# KiCad board impeller18.kicad_pcb (continued)
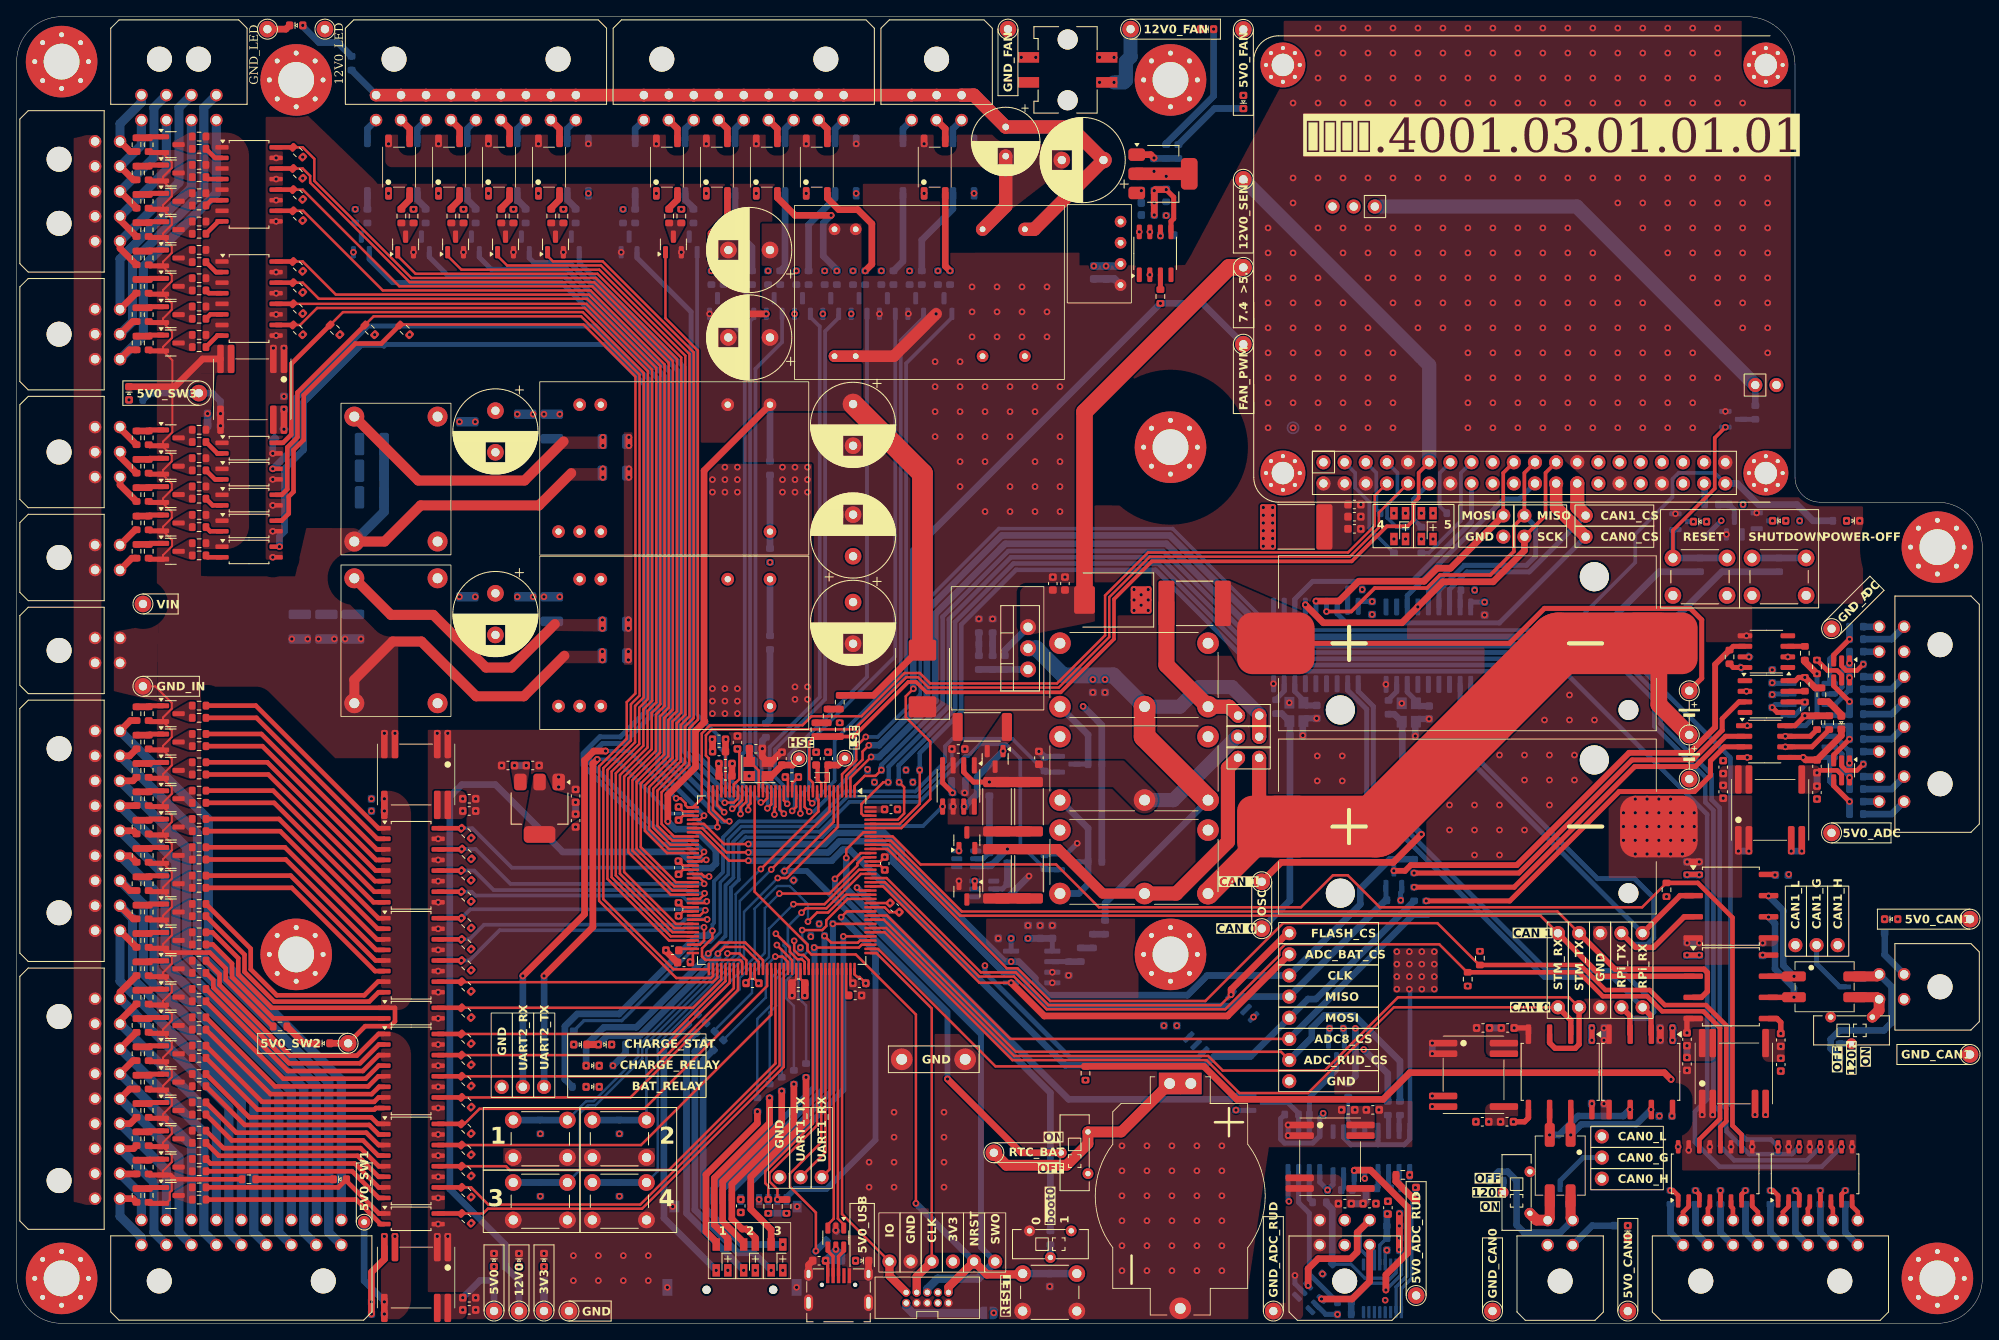
[diagram p0: board, top side]
## Routing (per net, layer and track width the routed paths; a pad name or vN(x,y) marks a point on that pad's centre or on a via; arc(x,y) is an arc through that point) (continued)
  Bottom w0.8: v1(63.33,41.72) J5.1
USB_D+: length 31.4
  Top w0.3: U1.104 98.63,12.56 99.33,11.86 99.33,11.44
USB_D-: length 31.4
  Top w0.3: U1.103 98.13,12.56 97.43,11.86 U72.3
USB_VBUS: length 38.5
  Top w0.3: v1(95.99,8.69) 95.99,13.29 92.87,16.41 92.87,17.97 96.63,21.73 U1.100
  Bottom w0.8: R334.1 96,8.69 v1(95.99,8.69)
Net-(BT1-+): length 26.6
  Top w1.3: BT1.1 132.65,22.98 SW3.3 128.66,21.56 126.08,18.98 118.86,18.98 TP3.1
Net-(BT2-+): length 62.6
  Top w0.6: TP14.1 202.37,77.45 202.37,84.48 201,85.85 183.48,85.85 179.28,81.65 BT2.1
Net-(BT2--): length 88.2
  Top w1.7: BT3.1 149.22,61.66 149.22,67.9
  Top w2: BT2.2 197.22,74.3 TP15.1
  Top w2.6: K3.14 151.12,59.65 BT3.1
  Top w7.4: BT3.1 163.22,59.65 185.22,81.65 BT2.2
Net-(C34-Pad1):
  vias: v1(53.18,87.24) v1(55.08,87.24) v1(60.13,87.24) v1(62.03,87.24) v1(63.33,87.24) v1(65.23,87.24)
Net-(C45-Pad1):
  vias: v1(53.18,108.25) v1(55.08,108.25) v1(60.13,109.17) v1(62.03,109.17) v1(63.33,109.17) v1(65.23,109.17)
Net-(C72-Pad2): length 28.3
  Bottom w0.8: TP18.1 152.92,50.77 C72.2 152.92,72.24 Y3.3 151.95,73.21 R40.1
Net-(C85-Pad2): length 38
  Top w0.8: TP21.1 151.86,55.35 165.33,55.35 v1(168.7,58.72)
  Bottom w0.8: v1(168.7,58.72) 166.42,61 C85.2 166.42,72.17 Y4.3 165.45,73.14 R44.1
Net-(D1-A):
  vias: v1(57.33,6.81)
Net-(D2-A):
  vias: v1(63.33,6.81)
Net-(D3-A):
  vias: v1(60.33,6.81)
Net-(D4-K): length 67.8
  Bottom w0.4: R27.2 68.13,36.35 72.68,36.35 82.08,45.75 83.3,45.75 84.5,46.96 84.5,52.94 85.45,53.89 85.45,58.09 87.01,59.65 96.19,59.65 99.78,63.24 108.17,63.24 112.32,67.39 v1(112.32,68.96)
  Bottom w0.8: R22.2 113.95,63.8 v1(113.86,63.7)
Net-(D5-A):
  vias: v1(66.91,33.48)
Net-(D6-K):
  vias: v1(71.48,33.48)
Net-(D7-A): length 53.4
  Top w2: D7.2 128.25,109.44 145.6,126.79 TP17.1
  Bottom w0.8: 118.67,80.17 118.67,80.8 U8.3
Net-(D9-K):
  vias: v1(193.49,11.73)
Net-(D11-K):
  vias: v1(224.34,48.53)
Net-(D12-BK):
  vias: v1(165.4,94.18)
Net-(D12-GK):
  vias: v1(165.4,97.28)
Net-(D12-RK):
  vias: v1(166.8,97.28)
Net-(D13-BK):
  vias: v1(168.7,94.18)
Net-(D13-GK):
  vias: v1(168.7,97.28)
Net-(D13-RK):
  vias: v1(170.1,97.28)
Net-(D14-K): length 9.3
  Top w0.8: D14.1 R143.2
Net-(D15-K): length 4.4
  Top w0.8: R144.2 34.48,33.63 D15.1
Net-(D16-A):
  vias: v1(13.5,110.89)
Net-(D17-A): length 7.5
  Bottom w0.8: R253.2 38.55,153.8 36.3,153.8 34.36,155.74 v1(34.36,155.85)
Net-(D18-A): length 3.2
  Top w0.8: R254.1 217.59,74.65 219.14,73.1 D18.2
Net-(D19-K): length 4.1
  Top w0.85: D19.1 167.96,14.75 165.65,17.06 R283.2
Net-(D20-BK): length 33.4
  Bottom w0.8: v1(84.01,6.36) 77.74,12.64 77.74,33.08 R325.1
Net-(D20-GK): length 19
  Top w0.8: D20.4 84.01,9.81 82.79,11.03 82.79,17.85 88.96,24.03 v1(88.96,25.42)
Net-(D20-RK): length 21
  Top w0.8: D20.1 85.41,10.2 83.79,11.83 83.79,17.44 90.42,24.07 v1(90.42,27.07)
Net-(D21-BK): length 32.9
  Bottom w0.8: R326.1 81.45,32.66 81.45,13.64 86.63,8.46 88.51,8.46 v1(90.61,6.36)
Net-(D21-GK): length 23.8
  Top w0.8: v1(94.8,29.55) 94.8,24.21 88.17,17.57 88.17,13.71 90.61,11.26 D21.4
Net-(D21-RK): length 30.8
  Bottom w0.8: v1(92.01,9.46) 87.06,9.46 82.45,14.07 82.45,31.59 R316.1
Net-(D22-BK): length 31.9
  Bottom w0.8: R331.1 80.45,33.72 80.45,13.23 v1(87.31,6.36)
Net-(D22-GK): length 22.4
  Top w0.8: D22.4 87.31,9.72 84.79,12.24 84.79,17.02 91.88,24.12 v1(91.88,27.9)
Net-(D22-RK): length 23.8
  Top w0.8: v1(93.34,28.72) 93.34,24.17 85.89,16.71 85.89,12.55 87.12,11.32 87.67,11.32 88.71,10.28 D22.1
Net-(D24-K): length 16.2
  Bottom w0.8: R338.2 138.06,141.68 143.75,147.37 v1(143.75,155.4)
Net-(D25-K): length 9.6
  Bottom w0.8: v1(147.32,145.87) 143.85,145.87 R339.2
Net-(D26-K):
  vias: v1(69.96,30.94)
Net-(D27-A):
  vias: v1(68.39,28.4)
Net-(D28-A):
  vias: v1(100.75,7.52)
Net-(D29-A):
  vias: v1(202.95,96.26)
Net-(D29-K):
  vias: v1(201.37,96.26)
Net-(D30-A):
  vias: v1(219.77,96.36)
Net-(D31-A):
  vias: v1(212.49,96.36)
Net-(D31-K):
  vias: v1(210.87,96.36)
Net-(J2-Pin_1): length 10
  Bottom w1: J2.1 106.83,2.01 107.6,1.24 116.04,1.24 JP1.2
Net-(J8-Pin_2): length 22.6
  Top w1.7: 146.68,72.98 145.61,74.05 K2.14
  Top w1.925: F1.1 138.08,79.04 K2.14
  Bottom w1.7: J8.2 145.62,74.05 K2.14
Net-(J9-Pin_1): length 47.8
  Top w1.225: K3.11 130.44,51.61 125.11,56.95 R25.2 R26.1
  Top w1.7: J9.1 145.47,66.69 145.47,57.82 139.26,51.61 K3.11
  Bottom w0.6: U5.3 116.67,54.83 C52.2
  Bottom w0.8: v1(118.99,56.95) 117.02,54.98 C52.2
Net-(J29-Pin_9): length 1.9
  Bottom w0.8: J29.9 R266.1
Net-(J29-Pin_10): length 1.9
  Bottom w0.8: J29.10 R267.1
Net-(J29-Pin_11): length 1.9
  Bottom w0.8: R265.1 J29.11
Net-(J29-Pin_12): length 1.9
  Bottom w0.8: R268.1 J29.12
Net-(J29-Pin_13): length 1.9
  Bottom w0.8: J29.13 R264.1
Net-(J29-Pin_14): length 1.9
  Bottom w0.8: J29.14 R269.1
Net-(J29-Pin_15): length 1.9
  Bottom w0.8: J29.15 R263.1
Net-(J29-Pin_16): length 1.9
  Bottom w0.8: R270.1 J29.16
Net-(J33-VBUS): length 9
  Top w0.4: J33.1 97.4,7.27 v1(97.15,7.52)
  Bottom w0.7: R342.2 98.81,7.52 97.91,8.42 ; v1(97.15,7.52) 97.15,7.67 97.91,8.42 ; 97.91,8.42 v1(98.38,8.9)
  Bottom w0.8: v1(98.38,8.9) 99.1,8.18 R342.2 v1(97.15,7.52)
Net-(Q3-G): length 8.6
  Bottom w0.8: v1(118.46,68.71) 115.35,65.6 115.35,63.54 R21.1
  vias: v1(113.78,62.05)
Net-(Q4-D): length 3.8
  Top w1.225: R19.2 R18.1
Net-(Q4-G):
  vias: v1(113.17,56.73)
Net-(Q5-D): length 3.8
  Top w1.225: R25.1 R26.2
Net-(Q5-G):
  vias: v1(115.07,53.11)
Net-(Q6-G): length 3.2
  Top w0.6: Q6.1 15.98,43.53 R55.2
  Top w0.8: R53.1 R55.2
Net-(Q7-G): length 3.2
  Top w0.6: Q7.1 15.98,74.15 15.86,74.03
  Top w0.8: 15.86,74.03 14.4,74.03
Net-(Q8-G): length 3.2
  Top w0.6: Q8.1 15.98,40.12 R63.2
  Top w0.8: R61.1 R63.2
Net-(Q9-G): length 3.2
  Top w0.6: Q9.1 15.98,70.75 R65.2
  Top w0.8: R65.2 R62.1
Net-(Q10-G): length 3.2
  Top w0.6: Q10.1 15.98,36.72 R73.2
  Top w0.8: R71.1 R73.2
Net-(Q11-G): length 3.2
  Top w0.6: R75.2 15.98,67.35 Q11.1
  Top w0.8: R75.2 R72.1
Net-(Q12-G): length 3.2
  Top w0.6: R83.2 15.98,33.32 Q12.1
  Top w0.8: R81.1 R83.2
Net-(Q13-G): length 3.2
  Top w0.6: R85.2 15.98,63.95 17.57,63.95
  Top w0.8: R82.1 R85.2
Net-(Q14-G): length 3.2
  Top w0.6: R93.2 15.98,29.92 Q14.1
  Top w0.8: R91.1 R93.2
Net-(Q15-G): length 3.2
  Top w0.6: R95.2 15.98,60.54 Q15.1
  Top w0.8: R92.1 R95.2
Net-(Q16-G): length 3.2
  Top w0.6: 17.57,26.52 15.98,26.52 R103.2
  Top w0.8: R101.1 R103.2
Net-(Q17-G): length 3.2
  Top w0.6: Q17.1 15.98,57.14 15.86,57.02
  Top w0.8: 15.86,57.02 14.4,57.02
Net-(Q18-G): length 3.2
  Top w0.6: Q18.1 15.98,23.12 R113.2
  Top w0.8: R111.1 R113.2
Net-(Q19-G): length 3.2
  Top w0.6: R115.2 15.98,53.74 Q19.1
  Top w0.8: R115.2 R112.1
Net-(Q20-G): length 3.2
  Top w0.6: R123.2 15.98,19.71 Q20.1
  Top w0.8: R121.1 R123.2
Net-(Q21-G): length 3.2
  Top w0.6: R125.2 15.98,50.34 Q21.1
  Top w0.8: R122.1 R125.2
Net-(Q22-G): length 3.2
  Top w0.6: 15.86,16.19 15.98,16.31 Q22.1
  Top w0.8: 14.4,16.19 15.86,16.19
Net-(Q23-G): length 3.2
  Top w0.6: R135.2 15.98,46.94 Q23.1
  Top w0.8: R135.2 R132.1
Net-(Q24-G): length 3.2
  Top w0.6: R146.2 15.98,142.48 Q24.1
  Top w0.8: R145.1 R146.2
Net-(Q25-G): length 3.2
  Top w0.6: Q25.1 15.98,139.08 15.86,138.96
  Top w0.8: 15.86,138.96 14.4,138.96
Net-(Q26-G): length 3.2
  Top w0.6: R155.2 15.98,135.68 Q26.1
  Top w0.8: R154.1 R155.2
Net-(Q27-G): length 3.2
  Top w0.6: R160.2 15.98,132.28 17.57,132.28
  Top w0.8: R159.1 R160.2
Net-(Q28-G): length 3.2
  Top w0.6: R165.2 15.98,128.88 Q28.1
  Top w0.8: R165.2 R164.1
Net-(Q29-G): length 3.2
  Top w0.6: Q29.1 15.98,125.47 R171.2
  Top w0.8: R171.2 R170.1
Net-(Q30-G): length 3.2
  Top w0.6: R176.2 15.98,122.07 Q30.1
  Top w0.8: R176.2 R175.1
Net-(Q31-G): length 3.2
  Top w0.6: Q31.1 15.98,118.67 R181.2
  Top w0.8: R181.2 R180.1
Net-(Q32-G): length 3.2
  Top w0.6: Q32.1 15.98,97.06 15.86,96.93
  Top w0.8: 14.4,96.93 15.86,96.93
Net-(Q33-G): length 3.2
  Top w0.6: R191.2 15.98,93.65 Q33.1
  Top w0.8: R190.1 R191.2
Net-(Q34-G): length 3.2
  Top w0.6: R197.2 15.98,100.47 Q34.1
  Top w0.8: R196.1 R197.2
Net-(Q35-G): length 3.2
  Top w0.6: R201.2 15.98,103.87 Q35.1
  Top w0.8: R200.1 R201.2
Net-(Q36-G): length 3.2
  Top w0.6: R206.2 15.98,107.27 Q36.1
  Top w0.8: R205.1 R206.2
Net-(Q58-D): length 57.8
  Top w0.6: U61.6 206.15,81.29 R280.2
  Top w0.7: v1(165.39,54.34) 166.74,54.34 167.43,55.02 180.17,55.02 193.65,68.5 200.91,68.5 203.98,71.57 203.98,79.12 R280.2
Net-(Q59-D): length 9.9
  Bottom w0.6: Q59.3 158.5,30.36 155.25,27.11 155.25,25.22 ; U68.7 155.23,25.05 R293.2
Net-(Q60-D): length 6.4
  Bottom w0.6: R296.2 153.96,25.05 U68.6 ; 153.94,25.22 152.65,26.52 Q60.3
Net-(Q61-D): length 1.7
  Bottom w0.6: R347.2 Q61.3
Net-(Q61-G): length 28.4
  Top w0.44: v1(205.22,107.61) 203.93,106.32 203.93,100.24 198.91,95.22 SW11.1
  Bottom w0.6: SW11.1 198.91,95.01 Q62.1
  Bottom w0.8: SW11.1 R343.2 SW11.1
Net-(Q64-D): length 3.3
  Bottom w0.6: Q64.3 206.29,97.72 R354.1
  Bottom w0.8: R354.1 R353.2
Net-(Q64-G): length 6.5
  Bottom w0.8: SW13.1 R349.2 SW13.1
Net-(R30-Pad1): length 1.5
  Top w0.8: R32.2 R30.1
Net-(R31-Pad2): length 2.8
  Bottom w0.8: R346.1 R352.2 115.56,80.17
Net-(R32-Pad1): length 1.5
  Top w0.8: R34.2 R32.1
Net-(R33-Pad1): length 1.5
  Bottom w0.8: R33.1 R35.2
Net-(R35-Pad1): length 1.5
  Bottom w0.8: R35.1 R36.2
Net-(R59-Pad2): length 27.3
  Top w0.55: R59.2 23.61,41.21 23.61,40.33 32.71,31.23 41.24,31.23 43.49,33.48 U18.2
Net-(R60-Pad2): length 27.4
  Top w0.55: U19.2 44.12,58.18 43.34,58.18 28.8,72.71 R60.2
Net-(R69-Pad2): length 25.9
  Top w0.55: U18.4 43.47,30.94 41.91,29.37 32.04,29.37 R69.2
Net-(R70-Pad2): length 27
  Top w0.55: R70.2 29.52,69.31 43.18,55.64 U19.4
Net-(R79-Pad2): length 25
  Top w0.55: R79.2 30.49,27.52 42.64,27.52 43.51,28.4 U18.6
Net-(R80-Pad2): length 26.7
  Top w0.55: U19.6 43.03,53.1 30.22,65.9 R80.2
Net-(R89-Pad2): length 24
  Top w0.55: R89.2 28.94,25.67 42.96,25.67 43.15,25.86 U18.8
Net-(R90-Pad2): length 26.3
  Top w0.55: R90.2 30.93,62.5 42.87,50.56 U19.8
Net-(R99-Pad2): length 23.8
  Top w0.55: U20.2 43.49,22.68 42.35,23.82 27.39,23.82 R99.2
Net-(R100-Pad2): length 26.2
  Top w0.55: R100.2 31.65,59.1 43.37,47.38 U21.2
Net-(R109-Pad2): length 23.4
  Top w0.55: U20.4 43.43,20.14 41.6,21.97 25.84,21.97 R109.2
Net-(R110-Pad2): length 25.9
  Top w0.55: R110.2 32.33,55.7 43.18,44.84 U21.4
Net-(R119-Pad2): length 23.1
  Top w0.55: R119.2 24.29,20.12 40.96,20.12 43.48,17.6 U20.6
Net-(R120-Pad2): length 25.5
  Top w0.55: U21.6 43.04,42.3 33.05,52.29 R120.2
Net-(R129-Pad2): length 22.7
  Top w0.55: U20.8 43.49,15.06 40.28,18.27 R129.2
Net-(R130-Pad2): length 27.3
  Top w0.55: R130.2 27.36,44.27 27.36,42.2 30.93,38.64 42.34,38.64 43.46,39.76 U21.8
Net-(R139-Pad2): length 22.6
  Top w0.55: R139.2 40.78,14.86 43.72,11.92 U22.2
Net-(R140-Pad2): length 26
  Top w0.55: U23.2 30.82,36.62 25.86,41.58 25.86,43.19 23.57,45.49 R140.2
Net-(R148-Pad2): length 2.4
  Top w0.55: U26.2 23.83,139.94 R148.2
Net-(R153-Pad2): length 2
  Top w0.55: R153.2 22.97,137.4 U26.4
Net-(R158-Pad2): length 2.2
  Top w0.55: U26.6 23.36,134.86 R158.2
Net-(R163-Pad2): length 2.5
  Top w0.55: R163.2 24.22,132.32 U26.8
Net-(R169-Pad2): length 2.4
  Top w0.55: R169.2 23.94,126.23 U27.2
Net-(R174-Pad2): length 2.1
  Top w0.55: R174.2 23.07,123.69 U27.4
Net-(R179-Pad2): length 2.1
  Top w0.55: R179.2 23.26,121.15 U27.6
Net-(R184-Pad2): length 2.5
  Top w0.55: R184.2 24.12,118.61 24.66,118.61
Net-(R189-Pad2): length 2.1
  Top w0.55: R189.2 23.24,95.11 U29.2
Net-(R194-Pad2): length 2
  Top w0.55: U30.2 22.96,91.99 R194.2
Net-(R199-Pad2): length 2.3
  Top w0.55: R199.2 23.54,98.22 U31.2
Net-(R204-Pad2): length 2.4
  Top w0.55: R204.2 23.82,101.34 U32.2
Net-(R209-Pad2): length 2.5
  Top w0.55: U33.2 24.11,104.46 R209.2
Net-(R212-Pad2): length 1.9
  Bottom w0.8: U34.2 R212.2
Net-(R215-Pad2): length 1.9
  Bottom w0.8: U35.2 R215.2
Net-(R217-Pad2): length 9.8
  Bottom w0.8: R217.2 106.44,127.52 U36.2
Net-(R218-Pad2): length 2.3
  Top w0.8: U37.2 47.2,134.93 46.2,133.93 R218.2
Net-(R221-Pad2): length 2.3
  Top w0.8: R221.2 78.36,133.93 79.36,134.93 U38.2
Net-(R223-Pad2): length 9.5
  Top w0.8: U39.2 111.52,126.96 v1(112.1,126.38)
Net-(R224-Pad2): length 2.3
  Bottom w0.8: R224.2 49.12,133.93 48.12,134.93 U40.2
Net-(R227-Pad2): length 2.3
  Bottom w0.8: U41.2 80.28,134.93 81.28,133.93 R227.2
Net-(R229-Pad2): length 10.9
  Bottom w0.8: U42.2 112.44,133.81 108.7,130.07 R229.2
Net-(R230-Pad2): length 2.3
  Top w0.8: R230.2 52.2,133.93 53.2,134.93 U43.2
Net-(R232-Pad2): length 10.7
  Top w0.8: U44.2 85.36,132.86 83.39,130.89 83.39,127.89 v1(84.9,126.38)
Net-(R234-Pad2): length 2.3
  Bottom w0.8: R234.2 55.12,133.93 54.12,134.93 U45.2
Net-(R236-Pad2): length 10.1
  Bottom w0.8: U46.2 86.28,131.25 88.3,129.23 R236.2
Net-(R238-Pad2): length 2.3
  Top w0.8: R238.2 58.2,133.93 59.2,134.93 U47.2
Net-(R240-Pad2): length 15.6
  Top w0.8: v1(97.82,133.05) 93.47,133.05 91.36,135.16 U48.2
  Bottom w0.8: v1(97.82,133.05) 96.87,132.1 96.87,128.16 98.5,126.53 v1(98.5,126.38)
Net-(R242-Pad2): length 2.4
  Bottom w0.8: R242.2 61.12,133.93 60.27,134.78 60.12,134.78 U49.2
Net-(R244-Pad2): length 9.5
  Bottom w0.8: R244.2 92.28,126.96 U50.2
Net-(R246-Pad2): length 2.3
  Top w0.8: U51.2 65.2,134.93 64.2,133.93 R246.2
Net-(R248-Pad2): length 13.2
  Top w0.8: v1(101.9,126.38) 102.71,127.18 102.71,132.03 101.01,133.73 98.73,133.73 97.36,135.1 U52.2
Net-(R250-Pad2): length 2.3
  Bottom w0.8: U53.2 66.12,134.93 67.12,133.93 R250.2
Net-(R252-Pad2): length 10.6
  Bottom w0.8: R252.2 95.1,131.91 98.28,135.09 U54.2
Net-(R299-Pad2): length 1.4
  Top w0.55: v1(219.62,15.95) 219.16,15.49 U69.7
Net-(R301-Pad2): length 1.3
  Top w0.55: U69.5 v1(216.62,15.95)
Net-(R303-Pad2): length 1.4
  Top w0.55: U69.3 214.08,15.49 v1(213.62,15.95)
Net-(R305-Pad2): length 1.8
  Top w0.55: U69.1 211.54,15.36 210.94,15.95 v1(210.62,15.95)
Net-(R307-Pad2): length 1.4
  Top w0.55: U70.7 207.16,15.49 v1(207.62,15.95)
Net-(R309-Pad2): length 1.3
  Top w0.55: U70.5 v1(204.62,15.95)
Net-(R311-Pad2): length 1.4
  Top w0.55: U70.3 202.08,15.49 v1(201.62,15.95)
Net-(R313-Pad2): length 1.8
  Top w0.55: U70.1 199.54,15.35 198.94,15.95 v1(198.62,15.95)
Net-(R348-Pad2): length 2.8
  Bottom w0.8: 117.21,80.17 R352.1 R351.1
Net-(SW2-B): length 1.6
  Bottom w0.8: R1.2 SW2.2
Net-(SW8-B): length 1.4
  Bottom w0.8: R39.2 SW8.2
Net-(SW9-B): length 1.4
  Bottom w0.8: R43.2 SW9.2
Net-(U3-REG): length 9.1
  Bottom w0.8: R6.2 U3.11 90.48,72.52 R7.1
Net-(U4-REG): length 8.8
  Bottom w0.8: 90.48,93.04 U4.11 R11.2
Net-(U5-VDD): length 8.8
  Bottom w0.6: U5.2 116.07,55.78 C52.1
  Bottom w0.8: C52.1 R17.1
Net-(U6-TS): length 5.2
  Top w0.6: v1(112.4,63.7) 111.2,64.9 U6.4
  Bottom w0.8: v1(112.4,63.7) 112.3,63.8 R22.1
Net-(U7-VDD): length 4.4
  Bottom w0.6: U7.2 118.39,52.16 C55.1
  Bottom w0.8: R23.1 C55.1
Net-(U8-ADJ): length 5.9
  Bottom w0.8: U8.1 R29.2 R348.1 R31.1
Net-(U9-IN+): length 3.4
  Bottom w0.6: U9.2 R38.1
  Bottom w0.8: R36.1 R38.1
Net-(U12-OSC1): length 2.3
  Bottom w0.6: U12.8 152.23,75.92 151.26,74.95 R40.2
Net-(U12-OSC2): length 4.4
  Bottom w0.6: Y3.1 154.54,74.83 153.5,75.87 U12.7
  Bottom w0.75: Y3.1 154.87,74.19 C71.2
Net-(U12-~{RESET}): length 2.1
  Bottom w0.6: U12.17 159.85,88.01 R41.2
Net-(U16-OSC1): length 2.3
  Bottom w0.6: R44.2 164.76,74.89 165.73,75.86 U16.8
Net-(U16-OSC2): length 4.4
  Bottom w0.6: U16.7 167,75.8 168.04,74.76 Y4.1
  Bottom w0.75: C84.2 168.37,74.12 Y4.1
Net-(U16-~{RESET}): length 2.1
  Bottom w0.6: U16.17 173.35,87.94 R45.2
Net-(U57-C): length 49.1
  Top w0.6: U57.3 206.85,74.62 204.83,72.6 204.83,71.21 201.27,67.65 194,67.65 180.42,54.07 v1(167.83,54.07)
Net-(U57-EN): length 1.8
  Top w0.6: 212.89,75.89 214.74,75.89
Net-(U59-C1): length 47.1
  Top w0.6: 207.46,70.49 205.24,70.49 201.6,66.85 194.33,66.85 179.85,52.37 v1(167.83,52.37)
Net-(U59-C2): length 46.9
  Top w0.6: 207.46,69.22 205.1,69.22 203.42,67.54 203.42,65.78 201.49,63.85 192.46,63.85 179.33,50.72 v1(169.29,50.72)
Net-(U61-C): length 2
  Top w0.6: R282.1 U61.3
Net-(U61-EN):
  vias: v1(208.04,80.02)
Net-(U64-C): length 4.3
  Bottom w0.45: 159.91,24.32 160.63,23.6 U64.3 ; R290.2 159.91,24.47
Net-(U64-EN): length 2
  Bottom w0.6: U64.7 159.36,16.29 R289.1
Net-(U65-AVDD): length 6.4
  Bottom w0.4: C120.2 163.71,9.39 U65.12
  Bottom w0.8: C121.2 C119.2 C120.2
  vias: v1(164.61,13.16)
Net-(U66-C1): length 1.9
  Bottom w0.6: U66.2 164.76,24.9 R291.1
Net-(U66-C2): length 1.9
  Bottom w0.6: R292.2 166.03,24.9 U66.3
Net-(U68-C1): length 3.8
  Bottom w0.6: R295.1 155.23,14.93 U68.2
Net-(U68-C2): length 17.6
  Bottom w0.6: R298.2 155.24,5.92 155.24,13.23 153.96,14.51 U68.3
Net-(U73-C): length 1.8
  Top w0.6: R337.2 137.36,125.9 U73.3
Net-(U73-EN): length 2.8
  In1.Cu w0.8: v1(136.09,131.06) v1(138.06,133.02)

## Copper pours and planes (outline as drawn; the poured copper is in the pictures)
3V3 on Top: 104.69,61.32 101.8,61.32 101.8,62.12 104.69,62.12
3V3 on Top: 83.16,103.21 95.52,103.21 95.52,72.82 83.16,72.82
3V3 on Top: 61.12,57.88 64.52,57.82 66.62,60.16 67.52,60.75 67.6,60.91 67.6,62.78 67.47,62.99 64.57,63.82 64.21,64.12 63.49,65.82 62.07,65.75 60.9,59.27
3V3 on Top, Bottom, In1.Cu, In2.Cu: 165.35,45.03 170.65,45.03 170.65,39.73 165.35,39.73
3V3 on Top, Bottom, In1.Cu, In2.Cu: 91.57,103.21 95.37,103.21 95.37,99.41 91.57,99.41
3V3 on Top, Bottom, In1.Cu, In2.Cu: 83.16,76.62 86.96,76.62 86.96,72.82 83.16,72.82
3V3 on Top, Bottom, In1.Cu, In2.Cu: 83.16,101.31 85.06,103.21 86.96,103.21 86.96,99.41 83.16,99.41
3V3 on Top, Bottom, In1.Cu, In2.Cu: 93.08,76.83 95.38,76.83 95.38,74.53 93.08,74.53
3V3 on Bottom: 91.57,103.21 95.37,103.21 95.52,74.53 91.57,74.53
3V3 on Bottom: 181.18,45.03 165.35,45.03 165.35,33.1 166.87,31.58 167.16,29.7 175.01,29.7 175.86,28.85 203.17,28.85 203.17,54.31 197.12,54.31 197.12,37.72 191.35,42.45 183.72,42.25
3V3 on Bottom: 141.21,35.06 139.7,36.17 138.98,36.14 138.93,35.35 140.07,33.94 141.3,32.7 142.43,33.83
3V3 on Bottom: 208.44,88.4 208.44,67.55 202.07,67.55 202.07,88.4
3V3 on Bottom: 83.16,99.41 86.96,99.41 86.96,76.62 83.16,76.62
3V3 on In2.Cu: 0,156.9 236.07,156.9 236.07,0 0,0
5V0 on Top: 54.03,3.55 54.03,0.15 50.11,0.15 50.11,3.55
5V0 on Top: 30.43,110.2 32.5,110.2 32.5,106.8 30.43,106.8
5V0 on Top: 54.03,63.95 54.03,60.55 50.11,60.55 50.11,63.95
5V0 on Top: 200.13,31.47 200.13,35.35 204.09,35.35 204.09,31.47
5V0 on Top: 59.34,66.7 59.34,67.46 61.65,67.46 61.65,66.7 61.23,64.26 59.77,64.26
5V0 on Top: 176.43,35.94 180.31,35.94 180.31,31.98 176.43,31.98
5V0 on Top: 159.69,22.14 159.69,26.11 163.09,26.11 163.09,22.14
5V0 on Top: 208.44,63.61 204.47,63.61 204.47,67.01 208.44,67.01
5V0 on Top, Bottom, In1.Cu, In2.Cu: 133.8,88.51 136.3,88.51 136.3,85.21 133.8,85.21
5V0 on Bottom, In1.Cu, In2.Cu: 151.24,98.36 151.24,92.91 149.32,92.91 149.32,98.36
5V0 on In2.Cu: 49.37,71.26 72.92,71.26 72.92,114.8 48.88,114.75 36.61,111.78 35.54,106.96 29.91,106.96 29.91,118.31 77.52,118.31 77.52,103.2 81.52,99.2 152.08,99.2 161.41,86 208.44,86 208.44,56.31 207.22,56.31 207.22,28.85 175.01,28.85 175.01,29.7 167.61,29.7 167.61,21.29 156.5,21.29 156.5,33.84 167.61,35.87 171.98,35.87 176.13,39.97 176.13,53.79 171.73,57.93 118.36,57.93 104.7,77.04 82.83,77.04 77.52,66.66 57.98,66.66 53.98,62.66 53.98,0.15 49.37,0.15
5V0_ADC on Top: 216.69,63.61 213.99,63.61 213.99,67.01 216.69,67.01
5V0_ADC on In1.Cu: 218.97,57.89 210.44,57.89 210.44,80.42 218.97,80.42
5V0_ADC_RUD on Top: 159.69,13.9 159.69,16.6 162.6,16.6 162.6,13.9
5V0_ADC_RUD on In1.Cu: 169.08,16.69 169.08,0.67 156.43,0.67 156.43,16.69
5V0_CAN0 on Top: 176.35,26.43 180.31,26.43 180.31,23.73 176.35,23.73
5V0_CAN0 on In2.Cu: 176.24,26.85 199.27,26.85 199.27,24.42 195.7,24.42 194.78,23.5 191.22,23.5 191.22,12.21 193.97,12.21 193.97,4.88 194.48,1.63 194.27,0.89 192.82,0.74 192.49,1.47 192.49,8.64 176.24,8.64
5V0_CAN1 on Top: 209.64,31.39 209.64,35.35 212.34,35.35 212.34,31.39
5V0_CAN1 on In2.Cu: 209.22,54.31 213.22,54.31 213.22,46.26 223.86,46.26 223.86,49.01 231.2,49.01 231.2,49.53 235.6,49.53 235.6,47.53 227.43,47.53 227.43,31.28 209.22,31.28
5V0_FAN on Bottom: 139.41,138.18 139.41,130.18 137.58,130.18 137.58,138.18
5V0_SWITCHES_1 on Top: 47.37,35.02 47.37,0.15 43.76,0.15 43.76,35.02
5V0_SWITCHES_2 on Top: 47.37,63.95 47.37,37.61 43.76,37.61 43.76,63.95
5V0_SWITCHES_3 on Top: 27.91,142.98 27.91,92.98 22.34,92.98 22.34,142.98
12V0 on Top: 89.48,132.07 101.47,132.07 101.47,109.54 89.48,109.54
12V0_FAN on Bottom: 131.88,131.59 131.88,134.54 133.86,134.54 133.86,143.55 130.95,143.55 129.27,147.92 129.27,149.76 135.52,149.76 135.52,131.59
12V0_FAN on Bottom: 129.27,153.15 135.52,153.15 135.52,131.59 131.88,131.59 131.88,142.27 129.27,142.27
GND on Top: 99.8,5.12 99.8,6.62 101.24,6.93 101.96,7.93 102.77,7.76 102.83,6.23 102.3,5.12
GND on Top: 200.17,45.27 200.17,46.57 202.52,46.57 202.52,45.27
GND on Top: 190.23,35.9 191.53,35.9 191.53,33.55 190.23,33.55
GND on Top, Bottom: 0,156.9 236.07,156.9 236.07,0 0,0
GND on In1.Cu: 0,156.9 236.07,156.9 236.07,0 0,0
GND on In2.Cu: 202.08,58.04 201.78,55.46 200.04,55.76 194.37,55.75 192.37,58 192.37,61.3 194.25,63.54 198.64,63.55 198.94,63.47 201.77,61.82 202.08,61.3
GND_ADC on Bottom: 227.43,60.75 225.01,60.75 225.01,84.4 227.43,84.4
GND_ADC on In2.Cu: 227.43,60.75 215.22,56.31 210.44,56.31 210.44,84.4 227.43,84.4
GND_ADC_RUD on Top: 148.47,-0.38 152.39,17.87 159.19,17.87 159.19,8 154.5,4.67 154.5,-0.3
GND_ADC_RUD on Bottom: 163.51,0.6 163.51,3.18 165.21,3.18 165.21,0.6
GND_ADC_RUD on In2.Cu: 152.39,2.38 152.39,18.22 167.7,18.22 167.7,2.38
GND_CAN0 on Top: 190.23,26.85 191.53,26.85 191.53,24.5 190.23,24.5
GND_CAN0 on In1.Cu: 169.61,27.7 173.01,27.7 173.01,26.85 198.19,26.85 198.19,24.42 195.7,24.42 194.78,23.5 191.22,23.5 191.22,8.64 178.24,8.64 178.24,0.48 176.24,0.47 176.24,23.73 169.61,23.73
GND_CAN1 on Top: 209.22,45.27 209.22,46.57 211.57,46.57 211.57,45.27
GND_CAN1 on In1.Cu: 212.34,24.65 208.37,24.65 208.37,28.05 209.22,28.05 209.22,54.31 213.22,54.31 213.22,46.26 227.43,46.26 227.43,33.28 235.6,33.28 235.6,31.28 212.34,31.28
GND_FAN on In2.Cu: 138.46,152.41 138.46,129.05 129.65,129.05 129.65,134.37 133.69,138.4 133.69,144.26 129.65,145.38 129.65,152.41
GND_FAN on In2.Cu: 138.46,152.41 138.46,129.05 129.65,129.05 129.65,152.41
GND_IN on Top: 26.15,117.5 26.15,114.1 22.14,114.1 22.14,117.5
GND_IN on Top: 70.74,80.76 70.74,79.26 65.08,79.26 65.6,80.74 65.74,80.76 65.78,80.76
GND_IN on Top: 70.8,102.69 70.8,101.19 65.14,101.19 66.44,102.67 66.61,102.69
GND_IN on Top: 22.14,140.89 22.14,17.01 16.84,17.01 16.84,140.89
GND_IN on Top: 16.9,74.67 11.67,75.91 11.67,83.05 16.99,84
GND_IN on Top: 20.78,17.01 20.78,15.85 18.81,15.85 18.22,14.27 16.84,14.45 16.84,17.01
GND_IN on Top: 45.83,95.48 45.83,67.85 20.69,67.84 20.69,95.53
GND_IN on Top: 23.88,114.1 23.32,109.13 22.95,108.83 22.14,108.83 22.14,114.1
GND_IN on Bottom, In2.Cu: 43.76,10.05 42.16,61.05 32.65,81.6 32.65,82.75 41.75,82.75 45.83,71.04 45.83,10.05
GND_IN on In1.Cu: 11.67,83.49 14.14,83.49 15.17,75.49 11.67,75.91
GND_IN on In1.Cu: 45.83,10.05 43.76,10.05 42.16,61.05 38.29,70.26 45.83,70.31
GND_IN on In1.Cu: 41.76,95.51 41.76,92.68 37.83,87.76 41.76,82.43 45.86,82.43 45.83,70.31 38.29,70.26 29.83,76.62 22.13,76.62 15.17,75.49 11.67,75.91 11.67,83.05 16.99,84 33.44,89.71 34.78,95.51
GND_LED on Top, Bottom, In1.Cu, In2.Cu: 119.58,142.73 119.58,138.83 44.26,138.83 44.26,142.73
GND_LED on Top, Bottom, In1.Cu, In2.Cu: 117.97,133.38 119.47,133.75 126.06,138.85 126.52,139.68 125.78,140.64 119.58,142.73
VIN on Top: 70.74,84.56 70.74,83.06 63.93,83.15 64.38,84.5 64.57,84.56 64.64,84.56
VIN on Top: 70.8,106.49 70.8,104.99 65.14,104.99 65.45,106.44 65.59,106.48 65.68,106.49
VIN on Top, Bottom, In1.Cu, In2.Cu: 10.17,142.67 10.17,14.23 6.85,14.23 6.85,142.67
VIN on Bottom, In2.Cu: 9.61,84.55 9.61,88.21 33.09,88.21 38.15,110.08 41.75,110.08 41.75,84.55
PACK_CHARGE+ on Top: 131.65,64.38 134.33,61.7 136.59,61.7 136.59,63.96 132.97,67.58 117.23,67.58 116.07,65.39 116.07,64.38
Net-(BT2-+) on Top: 143.98,83.79 144.07,89.07 145.68,89.15 154.68,85.24 154.75,78.76 146.91,78.76
Net-(BT2--) on Top: 147.86,57.92 147.86,55.8 146.57,55.8 146.57,57.92
Net-(C34-Pad1) on Bottom, In2.Cu: 49.35,89.47 50.54,90.66 70.92,90.66 70.92,86.66 49.35,86.66
Net-(C34-Pad2) on Bottom: 70.16,76.89 70.16,73.35 61.63,73.35 61.63,76.89
Net-(C34-Pad2) on Bottom: 70.16,73.35 70.92,74.12 70.92,84.86 49.35,84.86 49.35,74.46 50.46,73.35
Net-(C45-Pad1) on Bottom, In2.Cu: 50.55,107.68 55.24,107.68 59.97,108.59 70.92,108.59 70.92,112.8 49.35,112.8 49.35,108.88
Net-(C45-Pad2) on Bottom: 70.92,98.01 70.92,92.68 61.73,92.68 61.73,98.01
Net-(C45-Pad2) on Bottom: 50.55,92.68 49.35,93.88 49.35,105.88 55.24,105.88 59.97,106.79 70.92,106.79 70.92,92.68
Net-(C90-Pad2) on Top: 160.33,101.7 160.33,92.91 156.09,92.91 156.09,101.7
Net-(D4-K) on Top: 115.31,61.08 114.38,61.08 114.38,62.05 113.78,63.23 113,63.7 111.43,65.22 111.64,68.02 107.21,72.86 107.23,74.99 110.37,75.21 113.47,73.27 113.59,70.1 113.22,69.21 113.24,67.1 113.24,66.27 114.11,65.1 115.32,63.9
Net-(D7-A) on Top: 129.5,88.51 129.5,84.27 121.55,82.65 120.51,83.6 120.51,88.51
Net-(J9-Pin_1) on Top: 116.67,57.56 116.67,56.33 114.77,56.33 114.77,57.56
Net-(Q3-S) on Top: 114.71,66.38 114.77,67.94 118.37,73.2 119.48,73.08 119.46,70.02 115.26,66.07
Net-(Q4-D) on Top: 116.67,59.68 116.67,58.46 113.82,58.46 113.82,59.68
Net-(Q5-D) on Top: 116.67,51.63 116.67,50.41 113.82,50.41 113.82,51.63
Net-(Q6-D) on Top: 18.71,42.28 20.69,41.61 21.49,41.61 21.49,44.02 20.69,44.02 18.71,42.88
Net-(Q7-D) on Top: 18.71,72.9 20.69,72.23 21.49,72.23 21.49,74.65 20.69,74.65 18.71,73.5
Net-(Q8-D) on Top: 18.71,38.87 20.69,38.2 21.49,38.2 21.49,40.62 20.69,40.62 18.71,39.47
Net-(Q9-D) on Top: 18.71,69.5 20.69,68.83 21.49,68.83 21.49,71.25 20.69,71.25 18.71,70.1
Net-(Q10-D) on Top: 18.71,35.47 20.69,34.8 21.49,34.8 21.49,37.22 20.69,37.22 18.71,36.07
Net-(Q11-D) on Top: 18.71,66.1 20.69,65.43 21.49,65.43 21.49,67.84 20.69,67.84 18.71,66.7
Net-(Q12-D) on Top: 18.71,32.07 20.69,31.4 21.49,31.4 21.49,33.81 20.69,33.81 18.71,32.67
Net-(Q13-D) on Top: 18.71,62.7 20.69,62.02 21.49,62.02 21.49,64.44 20.69,64.44 18.71,63.3
Net-(Q14-D) on Top: 18.71,28.67 20.69,28 21.49,28 21.49,30.41 20.69,30.41 18.71,29.27
Net-(Q15-D) on Top: 18.71,59.29 20.69,58.62 21.49,58.62 21.49,61.04 20.69,61.04 18.71,59.89
Net-(Q16-D) on Top: 18.71,25.27 20.69,24.6 21.49,24.6 21.49,27.01 20.69,27.01 18.71,25.87
Net-(Q17-D) on Top: 18.71,55.89 20.69,55.22 21.49,55.22 21.49,57.64 20.69,57.64 18.71,56.49
Net-(Q18-D) on Top: 18.71,21.87 20.69,21.19 21.49,21.19 21.49,23.61 20.69,23.61 18.71,22.47
Net-(Q19-D) on Top: 18.71,52.49 20.69,51.82 21.49,51.82 21.49,54.24 20.69,54.24 18.71,53.09
Net-(Q20-D) on Top: 18.71,18.46 20.69,17.79 21.49,17.79 21.49,20.21 20.69,20.21 18.71,19.06
Net-(Q21-D) on Top: 18.71,49.09 20.69,48.42 21.49,48.42 21.49,50.83 20.69,50.83 18.71,49.69
Net-(Q22-D) on Top: 18.71,15.06 20.69,14.39 21.49,14.39 21.49,16.8 20.69,16.8 18.71,15.66
Net-(Q23-D) on Top: 18.71,45.69 20.69,45.01 21.49,45.01 21.49,47.43 20.69,47.43 18.71,46.29
Net-(Q24-D) on Top: 18.71,141.83 20.69,142.97 21.49,142.97 21.49,140.56 20.69,140.56 18.71,141.23
Net-(Q25-D) on Top: 18.71,138.43 20.69,139.57 21.49,139.57 21.49,137.16 20.69,137.16 18.71,137.83
Net-(Q26-D) on Top: 18.71,135.03 20.69,136.17 21.49,136.17 21.49,133.76 20.69,133.76 18.71,134.43
Net-(Q27-D) on Top: 18.71,131.63 20.69,132.77 21.49,132.77 21.49,130.36 20.69,130.36 18.71,131.03
Net-(Q28-D) on Top: 18.71,128.23 20.69,129.37 21.49,129.37 21.49,126.95 20.69,126.95 18.71,127.63
Net-(Q29-D) on Top: 18.71,124.82 20.69,125.97 21.49,125.97 21.49,123.55 20.69,123.55 18.71,124.22
